# Altium PCB PcbBoard_last.PcbDoc
Units mm, origin at the board's own origin, x right, y up, seen from the top; angles counter-clockwise.
Board outline 110 x 110 mm, 2 copper layers (Top Layer, Bottom Layer); 42 components, 37 nets, 215 pads, 30 vias.
Unrouted connection lines stored in the file: 1.
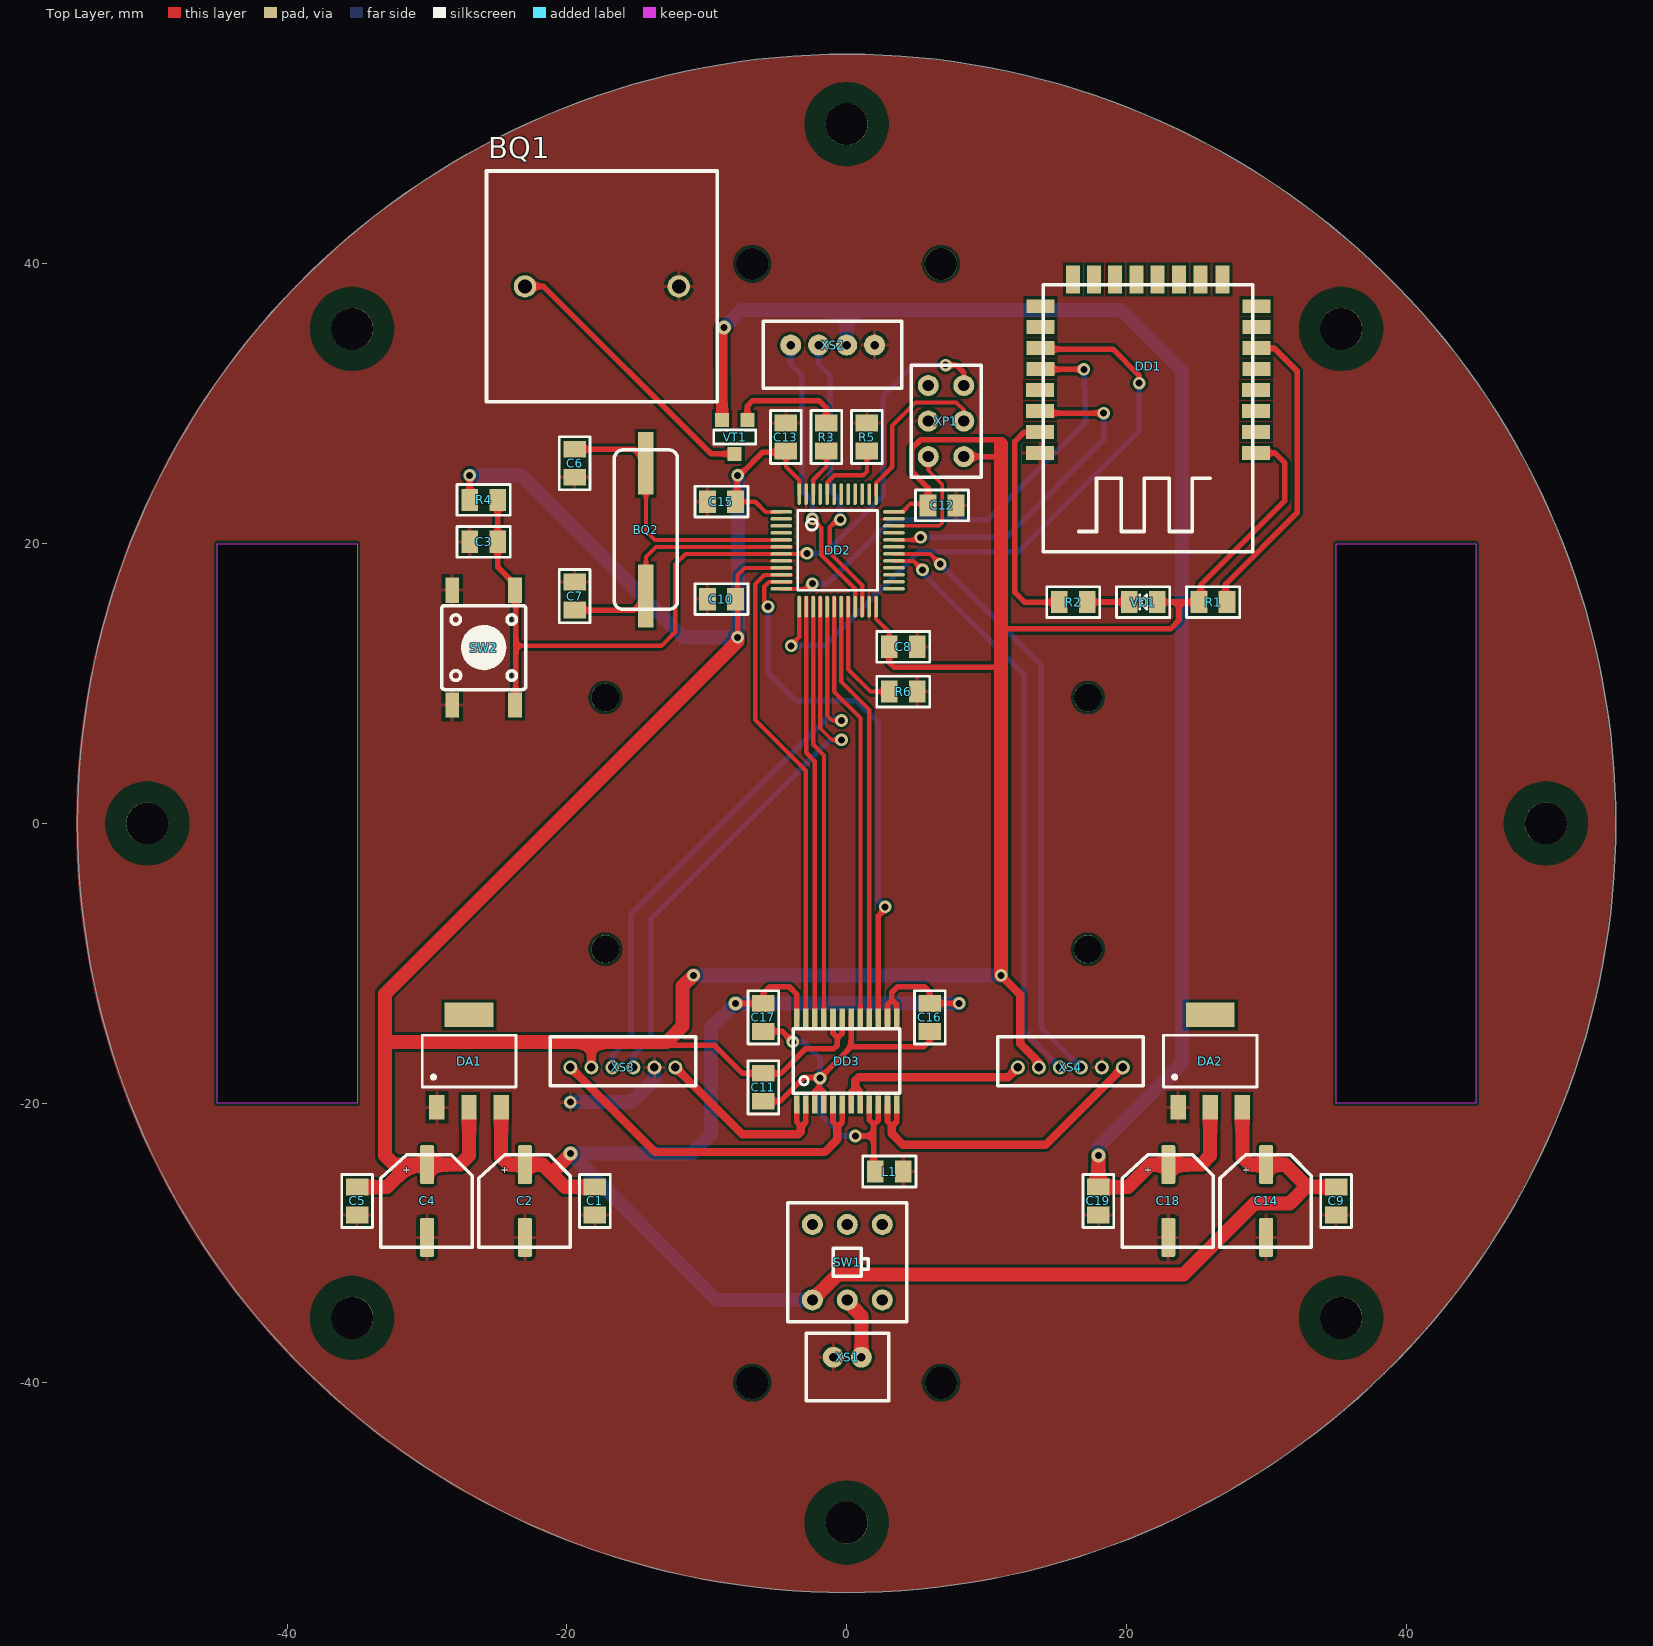
[diagram p0: Top Layer view]
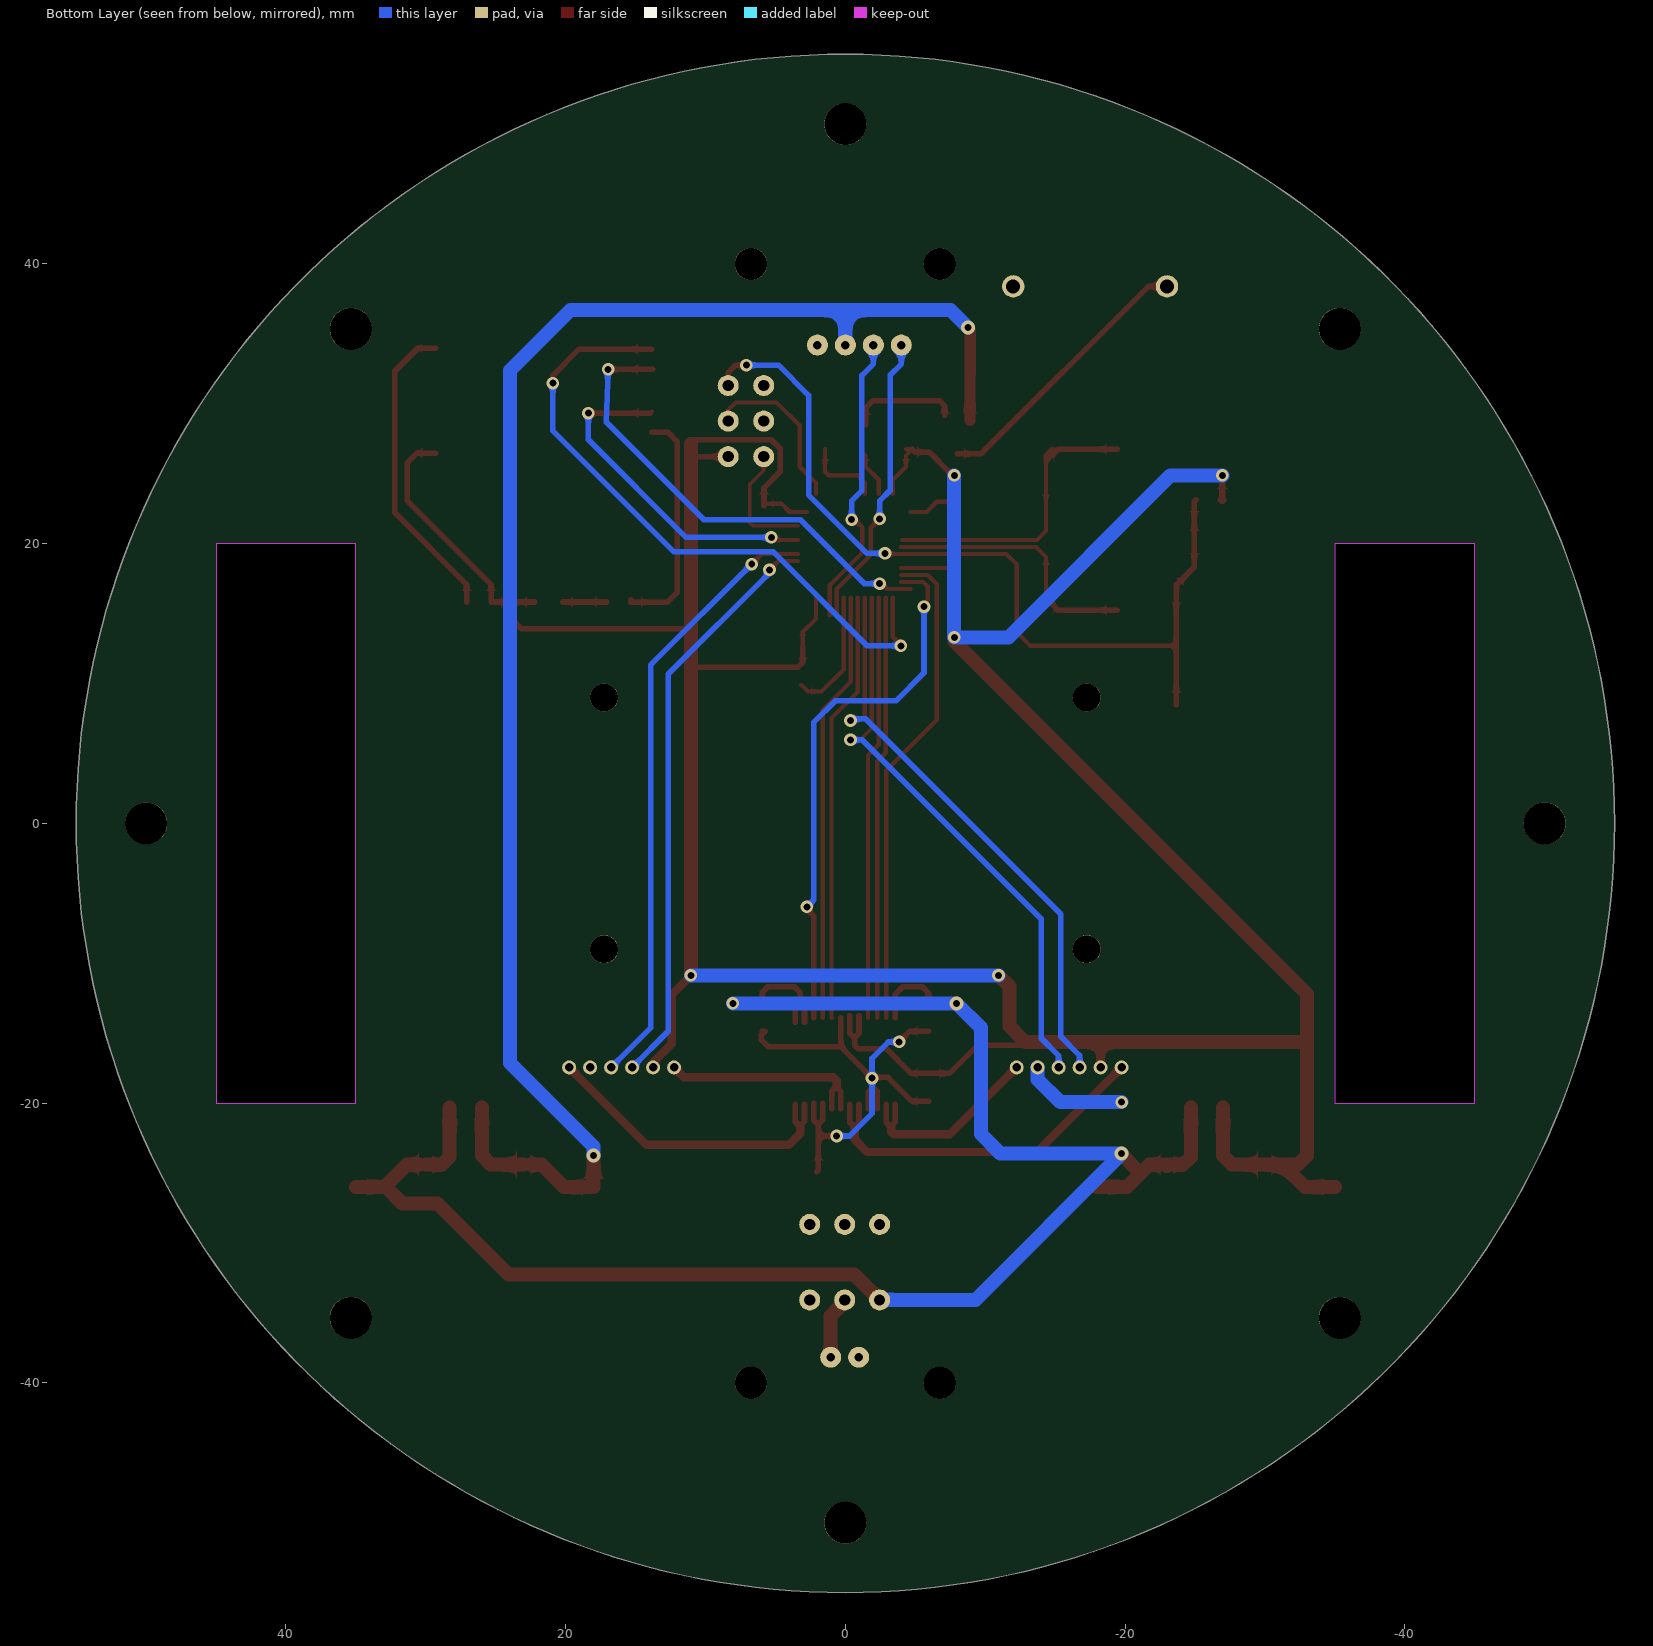
[diagram p1: Bottom Layer view, seen from below]
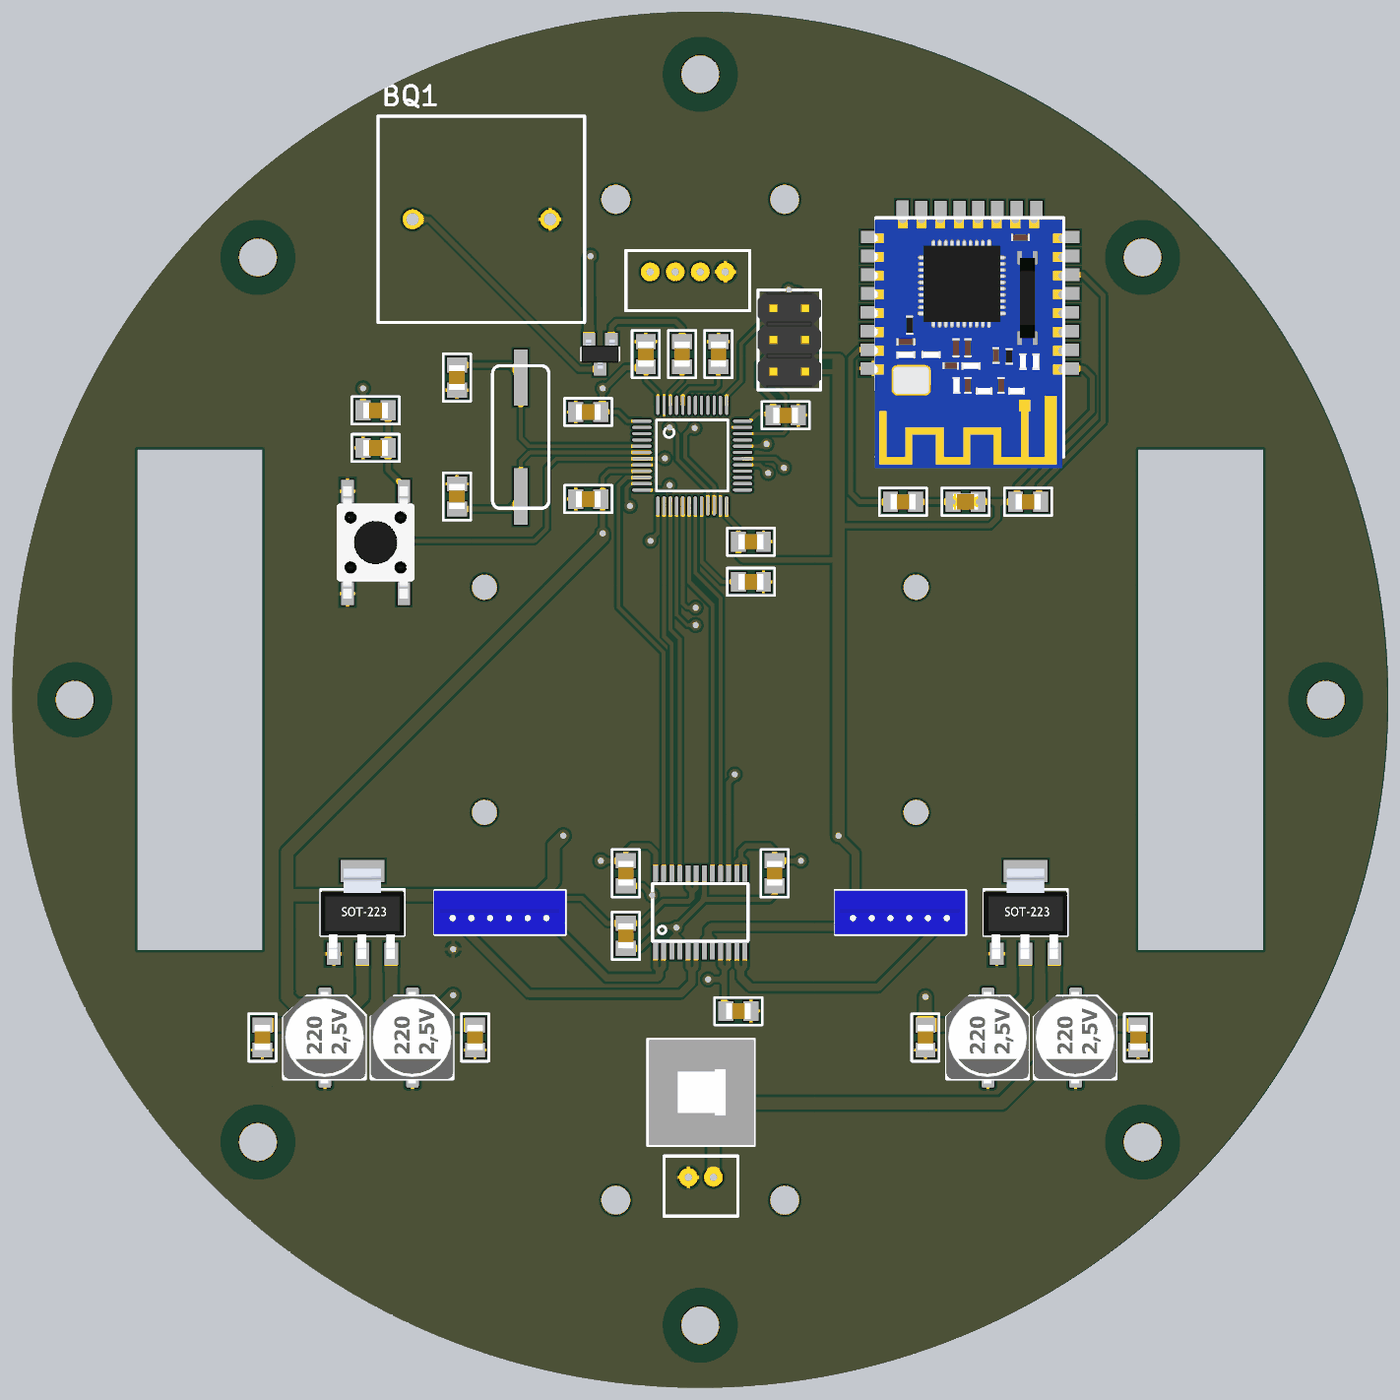
[diagram p2: 3D render of the assembled board from above, using the file's embedded part models]

## Layer stack, top to bottom
Top Solder: solder mask 0.0102, Solder Resist, Dk 3.5
Top Layer: signal copper 0.0356
Dielectric 1: dielectric 0.32, FR-4, Dk 4.8
Bottom Layer: signal copper 0.0356
Bottom Solder: solder mask 0.0102, Solder Resist, Dk 3.5

## Board outline
0,-55 cw(c0,0) -55,0 cw(c0,0) 0,55 cw(c0,0) 55,0 cw(c0,0)
cut-out: -45,-20 -45,20 -35,20 -35,-20
cut-out: 45,-20 35,-20 35,20 45,20

## Design rules (kind name [scope] priority, off if disabled: settings)
Clearance [All] p1: gap=0.2 ignorepadtopadclearanceinfootprint=FALSE
ComponentClearance [All] p1: gap=-1 collisioncheckmode=3 verticalgap=2540 showdistances=FALSE
PolygonConnect [All] p1: connectstyle=Relief reliefconductorwidth=0.254 reliefentries=4 polygonreliefangle="90 Angle" airgapwidth=0.254
RoutingVias [All] p1: holewidth=0.711 width=1.27 viastyle="Through Hole" minholewidth=0.711 minwidth=1.27 maxholewidth=0.711 maxwidth=1.27
SolderMaskExpansion [All] p1: expansion=0.102
Width [All] p1: maxlimit=1 minlimit=0.25 preferedwidth=0.3
29 further rules are at their usual default settings.

## Components (designator, comment, footprint, x,y, rotation, side; value= is the part's Value field where it differs from the comment)
BQ1 "" HPA17 -23,38.4 r0 top
BQ2 "HC-49SM" HC-49SM -14.351,21 r270 top
C1 "SMD0805" SMD_0805 -18,-27 r90 top value=0.1мкФ
C2 "SMD JCK ECAP" "SMD JCK" -23,-27 r180 top value="220 мкФ"
C3 "SMD0805" SMD_0805 -25.949,20.127 r0 top value=0.1мкФ
C4 "SMD JCK ECAP" "SMD JCK" -30,-27 r180 top value="220 мкФ"
C5 "SMD0805" SMD_0805 -35,-27 r90 top value=0.1мкФ
C6 "SMD0805" SMD_0805 -19.449,25.75 r270 top value=22пФ
C7 "SMD0805" SMD_0805 -19.449,16.25 r90 top value=22пФ
C8 "SMD0805" SMD_0805 4.051,12.627 r180 top value=0.1мкФ
C9 "SMD0805" SMD_0805 35,-27 r90 top value=0.1мкФ
C10 "SMD0805" SMD_0805 -8.949,16.038 r0 top value=0.1мкФ
C11 "SMD0805" SMD_0805 -5.949,-18.873 r90 top value=0.1мкФ
C12 "SMD0805" SMD_0805 6.822,22.733 r180 top value=0.1мкФ
C13 "SMD0805" SMD_0805 -4.349,27.627 r270 top value=0.1мкФ
C14 "SMD JCK ECAP" "SMD JCK" 30,-27 r180 top value="220 мкФ"
C15 "SMD0805" SMD_0805 -8.949,23 r0 top value=1мкФ
C16 "SMD0805" SMD_0805 5.949,-13.873 r90 top value=0.1мкФ
C17 "SMD0805" SMD_0805 -5.949,-13.873 r90 top value=2.2мкФ
C18 "SMD JCK ECAP" "SMD JCK" 23,-27 r180 top value="220 мкФ"
C19 "SMD0805" SMD_0805 18,-27 r90 top value=0.1мкФ
DA1 "SOT223" SOT-223 -27,-17 r0 top
DA2 "SOT223" SOT-223 26,-17 r0 top
DD1 "JDY-08" JDY-08 21.551,29.127 r180 top
DD2 "STM32F103C8T6" LQFP48_L -0.639,19.519 r0 top
DD3 "SSOP24" SSOP24 0,-17 r90 top
L1 "BLM" SMD_0805 3.051,-24.892 r180 top
R1 "4,7кОм" SMD0805 26.206,15.827 r0 top
R2 "1кОм" SMD0805 16.206,15.827 r180 top
R3 "1кОм" SMD0805 -1.449,27.627 r90 top
R4 "4.7кОм" SMD0805 -25.949,23.127 r0 top
R5 "4.7кОм" SMD0805 1.451,27.627 r270 top
R6 "4.7кОм" SMD0805 4.051,9.427 r180 top
SW1 "PS700L" KLS7-P 0.051,-31.373 r180 top
SW2 "SWITCH" KLS76x6x4.3 -25.949,12.573 r90 top
VD1 "LED" "SMD 0805" 21.206,15.827 r180 top
VT1 "PNP" SOT23 -8,27.627 r180 top
XP1 "PBD6" PLD6 7.112,28.764 r90 top
XS1 "PORT" PH2.0-2P 0.051,-38.873 r180 top
XS2 "PH2.0-4P" PH2.0-4P -1,33.5 r180 top
XS3 "" ZR1.5-6P -16,-17 r0 top
XS4 "" ZR1.5-6P 16,-17 r0 top

## Footprints (in the part's own frame and the unit in brackets; to place one, negate y for a bottom-side part, rotate by r counter-clockwise, add the part's x,y. Pads: shape width x height; smd on the part's side, far side on the other; paste and mask are expansions set on the pad)
HC-49SM [mm]
  rect 4.5x1.1 smd: 1(-4.75,0) 2(4.75,0)
  silkscreen extent -5.7,-2.25 5.7,2.25, body extent -6.2,-2.35 6.2,2.35, height 3.9
HPA17 [mm]
  round 1.6 hole 1: 1(0,0) 2(11,0)
  silkscreen extent -2.75,-8.25 13.75,8.25, body extent -2.79,-8.13 13.71,8.37, height 5
JDY-08 [mm]
  rect 2x1 smd: 1(-7.725,2.65) 2(-7.725,1.151) 3(-7.725,-0.351) 4(-7.725,-1.85) 5(-7.75,-3.35) 6(-7.75,-4.849) 7(-7.75,-6.351) 8(-7.75,-7.85) 17(7.7,-7.85) 18(7.7,-6.351) 19(7.7,-4.849) 20(7.7,-3.35) 21(7.725,-1.85) 22(7.725,-0.351) 23(7.725,1.151) 24(7.725,2.65)
  rect 1x2 smd: 9(-5.325,-9.75) 10(-3.75,-9.75) 11(-2.2,-9.75) 12(-0.675,-9.75) 13(0.825,-9.75) 14(2.35,-9.75) 15(3.875,-9.75) 16(5.375,-9.775)
  silkscreen extent -7.5,-9.4 7.51,9.7, body extent -7.39,-9.27 7.62,10.62, height 2.08
KLS7-P [mm]
  round 1.5 hole 0.8: 1(-2.5,2.7) 2(0,2.7) 3(2.5,2.7) 4(-2.5,-2.7) 5(0,-2.7) 6(2.5,-2.7)
  silkscreen extent -4.25,-4.25 4.25,4.25, body extent -4.29,-4.22 4.19,4.22, height 13.54
KLS76x6x4.3 [mm]
  rect 1.8x1 smd: 1(-4.1,2.25) 1(4.1,2.25) 2(-4.1,-2.25) 2(4.1,-2.25)
  silkscreen extent -3,-3 3,3, body extent -4.5,-3 4.5,3, height 4.3
LQFP48_L [mm] "QFP, 48-Leads, Body 7x7mm, Pitch 0.5mm, IPC High Density"
  oval 1.55x0.25 smd: 1(-4.025,2.75) 2(-4.025,2.25) 3(-4.025,1.75) 4(-4.025,1.25) 5(-4.025,0.75) 6(-4.025,0.25) 7(-4.025,-0.25) 8(-4.025,-0.75) 9(-4.025,-1.25) 10(-4.025,-1.75) 11(-4.025,-2.25) 12(-4.025,-2.75) 25(4.025,-2.75) 26(4.025,-2.25) 27(4.025,-1.75) 28(4.025,-1.25) 29(4.025,-0.75) 30(4.025,-0.25) 31(4.025,0.25) 32(4.025,0.75) 33(4.025,1.25) 34(4.025,1.75) 35(4.025,2.25) 36(4.025,2.75)
  oval 0.25x1.55 smd: 13(-2.75,-4.025) 14(-2.25,-4.025) 15(-1.75,-4.025) 16(-1.25,-4.025) 17(-0.75,-4.025) 18(-0.25,-4.025) 19(0.25,-4.025) 20(0.75,-4.025) 21(1.25,-4.025) 22(1.75,-4.025) 23(2.25,-4.025) 24(2.75,-4.025) 37(2.75,4.025) 38(2.25,4.025) 39(1.75,4.025) 40(1.25,4.025) 41(0.75,4.025) 42(0.25,4.025) 43(-0.25,4.025) 44(-0.75,4.025) 45(-1.25,4.025) 46(-1.75,4.025) 47(-2.25,4.025) 48(-2.75,4.025)
  silkscreen extent -2.85,-2.85 2.85,2.85, body extent -4.49,-4.49 4.49,4.49, height 1.6
PH2.0-2P [mm]
  round 1.5 hole 0.6: 1(-1,-0.7) 2(1,-0.7)
  silkscreen extent -2.95,-2.4 2.95,2.4, body extent -2.92,-2.41 2.98,2.09, height 6
PH2.0-4P [mm]
  round 1.5 hole 0.6: 1(-3,-0.7) 2(-1,-0.7) 3(1,-0.7) 4(3,-0.7)
  silkscreen extent -4.95,-2.4 4.95,2.4, body extent -4.95,-2.38 4.95,2.12, height 6
PLD6 [mm]
  round 1.5 hole 0.8: 1(-2.54,-1.27) 2(-2.54,1.27) 3(0,-1.27) 4(0,1.27) 5(2.54,-1.27) 6(2.54,1.27)
  silkscreen extent -4,-2.5 4,2.5, body extent -3.81,-2.54 3.81,2.54, height 8.7
SMD0805 [mm]
  rect 1.2x1.6 smd: 1(1,0) 2(-1,0)
  Top Layer pour cut-out: -0.4,1 0.4,1 0.4,-1 -0.4,-1
  silkscreen extent -1.9,-1.1 1.9,1.1, body extent -1,-0.63 1,0.62, height 1.01
"SMD 0805" [mm] "0805"
  rect 1.2x1.6 smd: 1(-1,0) 2(1,0)
  Top Layer pour cut-out: -0.4,1 0.4,1 0.4,-1 -0.4,-1
  silkscreen extent -1.9,-1.1 1.9,1.1, body extent -1,-0.63 1,0.62, height 1.1
"SMD JCK" [mm]
  rrect25% 1x2.8 smd: 1(0,-2.6) 2(0,2.6)
  silkscreen extent -3.22,-3.3 3.3,3.3, body extent -3.26,-3.93 3.34,3.66, height 5.9
SMD_0805 [mm]
  rect 1.2x1.6 smd: 1(-1,0) 2(1,0)
  Top Layer pour cut-out: -0.4,1 0.4,1 0.4,-1 -0.4,-1
  silkscreen extent -1.9,-1.1 1.9,1.1, body extent -1,-0.62 1,0.63, height 1.01
SOT23 [mm]
  rect 1x1 smd: 1(0.9,-1.2) 2(-0.9,-1.2) 3(0,1.2)
  Top Layer pour cut-out: -1.5,0.6 1.5,0.6 1.5,-0.6 -1.5,-0.6
  silkscreen extent -1.5,-0.5 1.5,0.5, body extent -1.5,-1.15 1.5,1.15, height 1.11
SOT-223 [mm] "SOT-223/SC-73; 4 Leads; Body 6.7 x 7.3 mm, inc. leads (LxW max)"
  rect 1.1x1.75 smd: 1(-2.3,-3.3) 2(0,-3.3) 3(2.3,-3.3)
  rect 3.5x1.75 smd: 4(0,3.3)
  silkscreen extent -3.35,-1.85 3.35,1.85, body extent -3.35,-3.7 3.35,3.5, height 1.85
SSOP24 [mm] "TB6612FNG"
  rect 1.3x0.4 smd: 1(-3.1,3.575) 2(-3.1,2.925) 3(-3.1,2.275) 4(-3.1,1.625) 5(-3.1,0.975) 6(-3.1,0.325) 7(-3.1,-0.325) 8(-3.1,-0.975) 9(-3.1,-1.625) 10(-3.1,-2.275) 11(-3.1,-2.925) 12(-3.1,-3.575) 13(3.1,-3.575) 14(3.1,-2.925) 15(3.1,-2.275) 16(3.1,-1.625) 17(3.1,-0.975) 18(3.1,-0.325) 19(3.1,0.325) 20(3.1,0.975) 21(3.1,1.625) 22(3.1,2.275) 23(3.1,2.925) 24(3.1,3.575)
  silkscreen extent -2.3,-3.81 2.3,3.82, body extent -3.27,-3.95 3.28,3.95, height 1.2
ZR1.5-6P [mm]
  round 1 hole 0.6: 1(3.75,-0.45) 2(2.25,-0.45) 3(0.75,-0.45) 4(-0.75,-0.45) 5(-2.25,-0.45) 6(-3.75,-0.45)
  silkscreen extent -5.21,-1.75 5.21,1.75, body extent -5.29,-1.75 5.21,1.75, height 4.5

## Part data
BQ1: library part HC-49SM
C1 C3 C5 C6 C7 C8 C9 C10 C11 C12 C13 C15 C16 C17 C19: "CAP"
DD2: I/Os (High Current)=37, Operating Frequency(F) (Processor speed) (MHz)=72, Supplier Part Number 1=497-6063-ND, Supply Voltage(Vcc) min (V)=2, A/D Converter="2x12-bit (10 Channel)", ComponentLink1Description="Manufacturer URL", ComponentLink1URL=http://www.st.com/web/en/home.html, ComponentLink2Description=Datasheet, ComponentLink2URL=http://www.st.com/st-web-ui/static/active/en/resource/technical/document/datasheet/CD00161566.pdf, ComponentLink3Description="Package Specification", ComponentLink3URL=http://www.st.com/st-web-ui/static/active/en/resource/technical/document/datasheet/DM00058181.pdf, Core="ARM Cortex-M3", DatasheetVersion="Rev. 16", FLASH Size (Prog) (kB)=64, Internal RAM Size (kB)=20, Mounting Technology="Surface Mount", PackageDescription="48-Pin Low Profile Quad Flat Package, 7 x 7 mm Body, 0.5 mm Pitch", PackageReference=LQFP48, PackageVersion="Rev. 6, 06/2013", Packing=Tray, PartNumber=STM32F103C8T6, Supplier 1=Digi-Key, Supplier 2=Farnell, Supplier 3=Newark, Supplier 4=Newark, Supplier 5=Mouser, Supplier Part Number 2=1447637, Supplier Part Number 3=59M2182, Supplier Part Number 4=57P1222, Supplier Part Number 5=511-STM32F103C8T6
L1: library part "SMD 0805"
R1 R2 R3 R4 R5 R6: library part SMD0805
SW1: library part KLS7, ComponentLink1Description=datasheet, ComponentLink1URL=https://static.chipdip.ru/lib/054/DOC000054735.pdf
VD1: library part "SMD 0805", Temperature=-55...+150°C, ValueManufacturerPartNumber="LED, *, *, *, -55...+150°C", TypeDiode=LED
XS1: library part PH2.0-2P, Parameter 1=+7.4В, Parameter 2=GND
XS3: library part PH1.5-6P_1
XS4: library part PH1.5-6P_2
DA1 DA2: ComponentLink1Description=Datasheet, ComponentLink1URL=https://static.chipdip.ru/lib/029/DOC001029248.pdf
DD1: ComponentLink1Description=Datasheet, ComponentLink1URL=http://www.farnell.com/datasheets/2236920.pdf
SW2: ComponentLink1Description=AliExpress, ComponentLink1URL=https://ru.aliexpress.com/item/10PCS-4-4-1-6mm-4x4x1-6H-SMD-push-button-switch-microswitch-Tact-Switch/32731081870.html?spm=a2g0s.9042311.0.0.250233edGDnBBV
VT1: Published=07.05.2013, Publisher="Andrew Danich", Type=Транзистор
XS2: P1=+5V, P2=RX, P3=TX, P4=GND

## Free pads (board coordinates)
  round 3 hole 3: 1(-50,0) 1(-35.355,-35.355) 1(-35.355,35.355) 1(0,-50) 1(0,50) 1(35.355,-35.355) 1(35.355,35.355) 1(50,0)
  round 2 hole 2: 1(-17.25,-9) 1(-17.25,9) 1(17.25,-9) 1(17.25,9)
  round 2.3 hole 2.3: 1(-6.75,-40) 1(-6.75,40) 1(6.75,-40) 1(6.75,40)

## Via types
v1: diameter 0.9, hole 0.5, Top Layer to Bottom Layer, tented top, 26 vias
v2: diameter 1, hole 0.5, Top Layer to Bottom Layer, tented top, 4 vias

## Nets (pads, with @x,y where several pads share a name; then routed paths per layer and width w, separated by ;. In a path a pad name is that pad's centre, name@x,y a point inside that pad or via, vN(x,y) a via of type N, cw(c..) or ccw(c..) an arc to the next point about the centre after c; other vN are vias at no path point)
+3.3V: C4.1 C5.2 C8.2 C10.2 C11.2 C12.2 C13.2 C15.2 DA1.2 DD1.1 DD2.1 DD2.9 DD2.24 DD2.36 DD2.48 DD3.19 DD3.20 R1.2 R4.2 VD1.1 XP1.1 XS3.5 XS4.5 | length 299.1
  Top Layer w0.254: C13.2@-4.776,26.75 C13.2@-4.498,26.472 ; C13.2@-4.498,26.625 C13.2@-4.498,26.472 ; C13.2@-4.327,26.301 C13.2@-4.498,26.472 ; DD2.48 DD2.48@-3.387,23.542
  Top Layer w0.3: C10.2@-7.949,16.637 C10.2@-7.799,16.487 ; C10.2@-7.799,16.637 -7.799,17.764 -7.294,18.269 DD2.9 DD2.9@-4,18.269 ; C15.2@-7.5,23 -6.534,23 -5.803,22.269 DD2.1 ; C13.2@-4.776,26.75 -4.376,26.75 C13.2@-4.349,26.777 ; C13.2@-4.327,26.301 -4.327,25.501 -3.387,24.56 DD2.48@-3.387,23.542 ; DD2.24@2.111,16.129 DD2.24 2.111,14.617 3.051,13.677 C8.2 ; DD2.36@2.758,22.269 DD2.36 DD2.36@3.986,22.269 ; DD2.36@4.028,22.269 DD2.36@3.986,22.269 ; C12.2 5.822,22.701 5.663,22.86 4.577,22.86 DD2.36@3.986,22.269 ; 10.886,13.716 11.051,13.881 11.082,13.912
  Top Layer w0.4: v1(-26.949,24.892) R4.2 R4.2@-26.824,23.127 ; -12.863,-15.621 -12.609,-15.875 -9.434,-15.875 -7.436,-17.873 C11.2 -4.701,-17.873 -2.957,-16.129 -0.925,-16.129 -0.671,-15.875 -0.671,-15.367 -0.326,-15.022 DD3.19@-0.326,-13.751 ; C15.2@-7.838,22.873 v1@-7.838,24.677 ; v1(-7.799,13.3) C10.2@-7.799,16.487 ; v1@-7.529,25.019 -5.997,26.551 -4.976,26.551 C13.2@-4.776,26.75 ; DD3.20@-0.976,-13.751 -0.976,-15.006 -0.671,-15.311 ; C8.2 3.051,11.518 3.393,11.176 11.013,11.176 ; C12.2 5.822,23.987 4.661,25.149 4.661,26.794 5.298,27.432 10.886,27.432 ; XP1.1 10.821,26.224 ; 11.082,13.912 23.154,13.912 23.769,14.527 23.769,15.827 ; VD1.1 23.769,15.827 ; R1.2@25.331,15.827 25.331,17.076 31.333,23.078 31.333,25.781 30.637,26.477 DD1.1 ; R1.2@25.331,15.827 23.769,15.827
  Top Layer w0.6: XS3.5 -18.25,-15.621 -18.25,-15.42 ; v1(11.051,-10.873) 12.41,-12.232 12.41,-15.748 13.75,-17.088 XS4.5
  Top Layer w0.8: -33,-23.285 -33,-20.3
  Top Layer w1: C5.2 -32.863,-26 -31.263,-24.4 ; -33.006,-15.621 -18.25,-15.621 -12.863,-15.621 ; -33,-23.285 -33.011,-23.274 ; DA1.2 -27,-23.763 -27.637,-24.4 C4.1 -31.263,-24.4 ; -12.609,-15.367 -11.72,-14.478 -11.72,-11.644 v1(-10.949,-10.873) ; v1(-7.799,13.3) -7.799,13.021 -33.011,-12.192 -33.011,-23.274 ; v1(11.051,-10.873) 11.051,13.881 11.051,27.14 ; -33.011,-23.274 -33.011,-23.752 -32.363,-24.4 -31.263,-24.4
  Bottom Layer w1: v1(-26.949,24.892) -23.241,24.892 -11.649,13.3 v1(-7.799,13.3) -7.783,13.316 v1@-7.783,24.892 ; v1(-10.949,-10.873) v1(11.051,-10.873)
  other v1: -7.799,24.892
+5V: C18.1 C19.2 DA2.2 VT1.1 XS2.2 | length 117.1
  Top Layer w0.3: v2@-8.927,35.304 v2(-8.774,35.458)
  Top Layer w0.8: v2@-8.927,35.304 VT1.1 ; v2@-8.774,35.431 v2(-8.774,35.458)
  Top Layer w1: v2(18,-23.749) C19.2 20.137,-26 21.737,-24.4 C18.1@22.559,-24.4 ; C18.1 25.363,-24.4 26,-23.763 DA2.2
  Bottom Layer w1: v2(-8.774,35.458) -7.529,36.703 0,36.703 ; XS2.2 0,36.703 ; v2(18,-23.749) 18,-23.112 23.967,-17.145 23.967,32.385 19.649,36.703 0,36.703
+7.4V: C1.2 C2.1 C9.2 C14.1 C16.2 C17.2 DA1.3 DA2.3 DD3.13 DD3.14 DD3.24 SW1.2 SW1.3 XS1.1 | length 142.3
  Top Layer w0.4: v2(-7.949,-12.873) C17.2@-6.149,-12.873 ; C17.2@-6.005,-12.617 C17.2@-5.949,-12.673 ; DD3.24 -3.575,-12.209 -4.1,-11.684 -5.497,-11.684 -5.949,-12.136 C17.2@-5.949,-12.673 ; DD3.14@2.925,-14.213 DD3.14 2.925,-12.957 3.23,-12.652 ; DD3.13@3.575,-14.213 DD3.13 3.575,-12.942 3.23,-12.597 3.23,-12.101 3.647,-11.684 5.552,-11.684 5.933,-12.065 5.933,-12.619 C16.2@5.679,-12.873 ; C16.2 v1(8.051,-12.873) ; C17.2@-5.949,-12.673 -5.749,-12.873 C17.2 C17.2@-5.949,-12.673
  Top Layer w0.8: C17.2@-6.149,-12.873 C17.2@-5.949,-12.673
  Top Layer w1: DA1.3 -24.7,-23.85 -24.15,-24.4 C2.1 C2.1@-23,-24.511 ; C2.1@-22.559,-24.4 -21.737,-24.4 -21.118,-25.019 ; v2(-19.75,-23.622) -19.75,-23.651 -21.118,-25.019 ; C1.2 -20.137,-26 -21.118,-25.019 ; SW1.3 -0.634,-32.258 24.094,-32.258 29.174,-27.178 31.685,-27.178 32.863,-26 ; SW1.2 0.051,-34.208 1.051,-35.208 XS1.1 ; DA2.3 28.3,-23.85 28.85,-24.4 C14.1 ; C14.1@30.441,-24.4 31.349,-24.4 32.949,-26 C9.2
  Bottom Layer w1: SW1.3@-2.949,-34.073 -9.299,-34.073 v2(-19.75,-23.622) -11.085,-23.622 -9.688,-22.225 -9.688,-14.612 v2(-7.949,-12.873) v1(8.051,-12.873)
AGND: C11.1 C16.1 C17.1 DD3.3 DD3.4 DD3.9 DD3.10 DD3.18 L1.2 | length 40.8
  Top Layer w0.4: C11.1 -4.764,-19.873 -3.052,-18.161 v1@-1.956,-18.161 ; C17.1 -4.594,-14.873 v1(-3.846,-15.621) ; DD3.3@-2.275,-20.413 DD3.3 -2.275,-19.157 -1.97,-18.852 -1.625,-19.197 DD3.4 DD3.4@-1.625,-20.413 ; -1.956,-18.811 v1@-1.956,-18.161 ; DD3.18 0.325,-15.982 ; v1(0.63,-22.352) 1.93,-22.352 ; DD3.9@1.625,-20.005 DD3.9 1.625,-21.209 1.93,-21.514 ; L1.2 1.93,-24.771 1.93,-22.352 ; 2.275,-21.225 1.93,-21.57 1.93,-22.352 ; 2.275,-21.209 DD3.10 DD3.10@2.275,-20.005 ; C16.1 5.749,-14.873 6.003,-15.127 6.003,-15.494 5.53,-15.968 0.339,-15.968 0.325,-15.982 ; v1@-1.956,-18.161 v1(-1.905,-18.212) 0.325,-15.982
  Bottom Layer w0.4: v1(-3.846,-15.621) -3.084,-15.621 -1.905,-16.8 v1(-1.905,-18.212) -1.905,-20.737 -0.29,-22.352 v1(0.63,-22.352)
AO1: DD3.1 DD3.2 XS3.1 | length 14.8
  Top Layer w0.4: DD3.1 -3.575,-21.356 -3.27,-21.661 ; -3.27,-21.716 -2.925,-21.371 DD3.2
  Top Layer w0.6: XS3.1 -7.475,-22.225 -3.445,-22.225 -3.27,-22.05 -3.27,-21.716
AO2: DD3.5 DD3.6 XS3.6 | length 26.3
  Top Layer w0.4: DD3.5 -0.975,-21.356 -0.67,-21.661 ; -0.67,-21.716 -0.325,-21.371 DD3.6
  Top Layer w0.6: XS3.6 -13.705,-23.495 -1.56,-23.495 -0.67,-22.605 -0.67,-21.716
BO1: DD3.11 DD3.12 XS4.1 | length 23
  Top Layer w0.4: DD3.11 2.925,-21.304 3.23,-21.609 ; 3.23,-21.665 3.575,-21.32 ; 3.575,-21.304 DD3.12
  Top Layer w0.6: 3.23,-21.665 3.23,-22.189 4.028,-22.987 14.213,-22.987 XS4.1
BO2: DD3.7 DD3.8 XS4.6 | length 15.9
  Top Layer w0.4: DD3.7@0.325,-20.413 DD3.7 0.325,-19.157 0.63,-18.852 ; 0.63,-18.797 0.975,-19.142 DD3.8 DD3.8@0.975,-20.413
  Top Layer w0.6: 0.63,-18.797 0.63,-18.384 0.853,-18.161 11.539,-18.161 XS4.6
BOOT: DD2.44 R5.1 | length 5.6
  Top Layer w0.3: DD2.44@-1.389,23.569 -1.389,24.366 -0.863,24.892 1.195,24.892 1.451,25.149 R5.1@1.451,26.752
GND: BQ1.2 C1.1 C2.2 C3.1 C4.2 C5.1 C6.2 C7.2 C8.1 C9.1 C10.1 C12.1 C13.1 C14.2 C15.1 C18.2 C19.1 DA1.1 DA2.1 DD1.24 DD2.8 DD2.23 DD2.35 DD2.47 L1.1 R5.2 R6.2 SW2.1 XP1.4 XS1.2 XS2.1 XS3.2 XS4.2 | length 7.5
  Bottom Layer w1: v1(-19.75,-19.939) -15.367,-19.939 -13.75,-18.322 XS3.2
NetBQ1_1: BQ1.1 VT1.3 | length 20
  Top Layer w0.4: BQ1.1 -21.672,38.4 -9.699,26.427 VT1.3
NetDD1_6: DD1.6 R1.1 | length 22.2
  Top Layer w0.4: R1.1@27.081,15.827 27.081,17.084 32.222,22.225 32.222,32.331 30.578,33.976 DD1.6
NetDD1_23: DD1.23 R2.1 | length 16.7
  Top Layer w0.4: DD1.23 12.7,27.976 12.029,27.305 12.029,16.51 12.718,15.822 15.176,15.822 15.331,15.977 R2.1@15.331,15.827
NetDD2_46: DD2.46 R3.2 | length 3.6
  Top Layer w0.254: R3.2@-1.449,26.303 R3.2@-1.115,26.637
  Top Layer w0.3: DD2.46 -2.389,24.571 -1.449,25.511 R3.2@-1.449,26.303
NetR2_2: R2.2 VD1.2 | length 3.1
  Top Layer w0.4: R2.2@17.082,15.827 VD1.2
NetR3_1: R3.1 VT1.2 | length 7.9
  Top Layer w0.4: VT1.2@-7.1,29.2 -7.1,29.845 -6.719,30.226 -1.982,30.226 -1.449,29.692 R3.1@-1.449,28.502
NRST: C3.2 DD2.7 R4.1 SW2.2 XP1.5 | length 64.1
  Top Layer w0.3: -23.658,12.697 -13.246,12.697 -12.25,13.694 -12.25,18.52 ; -12.228,18.542 -11.501,19.269 DD2.7 v1@-2.83,19.269
  Top Layer w0.4: R4.1@-25.074,23.127 -24.949,23.002 C3.2 -24.949,18.323 -23.699,17.073 SW2.2@-23.699,16.673 ; SW2.2@-23.658,8.473 -23.658,12.697 SW2.2@-23.658,17.073 ; v1(7.076,32.766) 7.838,32.766 8.382,32.222 XP1.5
  Bottom Layer w0.4: v1(-2.83,19.304) -1.56,19.304 2.631,23.495 2.631,30.607 4.79,32.766 v1(7.076,32.766)
PA0-PWMA: DD2.10 DD3.23 | length 35.3
  Top Layer w0.3: DD2.10@-4,17.769 DD2.10 -5.886,17.769 -6.534,17.121 -6.534,7.387 -2.925,3.778 DD3.23
PA1-PWMB: DD2.11 DD3.15 | length 39.2
  Top Layer w0.3: v1(-5.624,15.494) -5.624,15.656 -5.886,15.918 -5.886,16.938 -5.555,17.269 DD2.11 DD2.11@-4,17.269
  Top Layer w0.4: DD3.15 2.275,-6.615 2.758,-6.131 v1(2.758,-5.969)
  Bottom Layer w0.4: v1(-5.624,15.494) -5.624,10.768 -3.619,8.763 0.726,8.763 2.25,7.239 2.25,-5.461 v1(2.758,-5.969)
PA2: DD1.20 DD2.12 | length 33.7
  Top Layer w0.3: DD2.12 -3.001,16.769 -2.625,17.145 v1(-2.449,17.145)
  Top Layer w0.4: DD1.20@13.77,32.466 v1(16.97,32.466)
  Bottom Layer w0.4: v1(-2.449,17.145) -1.346,17.145 3.226,21.717 10.124,21.717 17.099,28.691 v1(16.97,32.466)
PA3: DD1.19 DD2.13 | length 46.7
  Top Layer w0.25: v1(-3.973,12.697) v1@-3.973,12.751
  Top Layer w0.3: v1@-3.973,12.751 -3.389,13.335 DD2.13 DD2.13@-3.389,16.129
  Top Layer w0.4: DD1.19@13.851,33.909 19.036,33.909 20.919,32.026 v1(20.919,31.477)
  Bottom Layer w0.4: v1(-3.973,12.697) -1.562,12.697 5.171,19.431 12.283,19.431 20.919,28.067 v1(20.919,31.477)
PA4-AIN2: DD2.14 DD3.22 | length 30.3
  Top Layer w0.3: DD2.14@-2.889,16.129 DD2.14 -2.889,5.049 -2.275,4.435 DD3.22
PA5-AIN1: DD2.15 DD3.21 | length 30.3
  Top Layer w0.3: DD2.15@-2.389,16.129 DD2.15 -2.389,5.627 -1.625,4.863 DD3.21
PA6: DD2.16 XS3.3 | length 41.5
  Top Layer w0.25: -1.889,6.806 -1.052,5.969 v1(-0.365,5.969)
  Top Layer w0.3: -1.889,6.806 DD2.16 DD2.16@-1.889,16.129
  Bottom Layer w0.4: XS3.3 -15.25,-16.611 -14.006,-15.367 -14.006,-6.833 -1.204,5.969 v1(-0.365,5.969) -0.365,5.876 v1@-0.489,5.751
PA7: DD2.17 XS3.4 | length 42.1
  Top Layer w0.25: -1.389,7.703 -1.044,7.358 v1(-0.365,7.358)
  Top Layer w0.3: -1.389,7.703 DD2.17 DD2.17@-1.389,16.129
  Bottom Layer w0.4: XS3.4 -16.75,-16.587 -15.403,-15.24 -15.403,-6.477 -1.457,7.469 v1@-0.365,7.469 ; v1@-0.489,7.234 v1(-0.365,7.358)
PA8: DD2.29 XS4.4 | length 42
  Top Layer w0.3: DD2.29 4.781,18.769 v1(5.425,18.125)
  Bottom Layer w0.4: v1(5.425,18.125) 5.425,17.907 12.664,10.668 12.664,-14.864 XS4.4
PA9: DD2.30 XS4.3 | length 43.8
  Top Layer w0.3: DD2.30 5.968,19.269 v1(6.695,18.542)
  Bottom Layer w0.4: v1(6.695,18.542) 13.922,11.316 13.922,-14.622 XS4.3
PA11: DD1.22 DD2.32 | length 24.5
  Top Layer w0.25: DD1.22 DD1.22@13.967,29.337
  Top Layer w0.3: DD2.32 4.958,20.269 5.136,20.447 v1(5.298,20.447)
  Top Layer w0.4: DD1.22@13.967,29.337 v1(18.379,29.337)
  Bottom Layer w0.4: v1(5.298,20.447) 11.394,20.447 18.379,27.432 v1(18.379,29.337)
PB0-BIN1: DD2.18 DD3.17 | length 30.8
  Top Layer w0.3: DD2.18@-0.889,16.129 DD2.18 -0.889,9.414 0.99,7.535 0.99,-13.885 DD3.17
PB1-BIN2: DD2.19 DD3.16 | length 30.9
  Top Layer w0.3: DD2.19@-0.389,16.129 DD2.19 -0.389,10.132 1.625,8.118 DD3.16
PB2: DD2.20 R6.1 | length 9
  Top Layer w0.254: R6.1@2.676,9.427 R6.1@3.176,9.927
  Top Layer w0.3: DD2.20@0.111,16.129 DD2.20 0.111,11.024 1.708,9.427 R6.1@2.676,9.427
PB10: DD2.21 XS2.4 | length 21.2
  Top Layer w0.3: v1(-2.449,21.769) -1.814,21.134 -1.814,19.2 0.611,16.775 DD2.21@0.611,14.859
  Bottom Layer w0.4: XS2.4 -4,32.855 -3.211,32.066 -3.211,23.824 -2.449,23.062 v1@-2.449,21.836
PB11: DD2.22 XS2.3 | length 21.8
  Top Layer w0.3: v1@-0.29,21.558 v1(-0.449,21.717) -0.671,21.717 -1.211,21.177 -1.211,19.368 1.111,17.046 DD2.22 DD2.22@1.111,14.859
  Bottom Layer w0.4: XS2.3@-2.068,34.014 XS2.3@-2,34.081 ; XS2.3@-1.941,34.141 XS2.3 XS2.3@-2,34.081 ; v1(-0.449,21.717) -0.449,23.062 -1.179,23.792 -1.179,32.034 -2,32.855 XS2.3@-2,34.081
PD0: BQ2.1 C6.1 DD2.5 | length 22
  Top Layer w0.3: BQ2.1@-14.751,26.75 -14.351,26.35 -14.351,25.9 BQ2.1 -14.351,20.919 -13.701,20.269 DD2.5 DD2.5@-4.064,20.269
  Top Layer w0.4: C6.1 -15.201,26.75 BQ2.1@-14.351,25.9
PD1: BQ2.2 C7.1 DD2.6 | length 19.1
  Top Layer w0.3: BQ2.2 -14.351,19.055 -13.637,19.769 DD2.6 DD2.6@-4,19.769
  Top Layer w0.4: C7.1 -15.201,15.25 -14.351,16.1 BQ2.2
SWCLK: DD2.37 XP1.3 | length 12.2
  Top Layer w0.3: DD2.37 2.111,24.347 3.266,25.502 3.266,28.448 4.917,30.099 7.834,30.099 8.382,29.551 XP1.3
SWDIO: DD2.34 XP1.2 | length 8.7
  Top Layer w0.25: DD2.34 6.628,21.269 6.822,21.463 6.822,24.257 5.842,25.237 XP1.2 XP1.2@5.845,26.224
pads on no net: DA1.4 DA2.4 DD1.2 DD1.3 DD1.4 DD1.5 DD1.7 DD1.8 DD1.9 DD1.10 DD1.11 DD1.12 DD1.13 DD1.14 DD1.15 DD1.16 DD1.17 DD1.18 DD1.21 DD2.2 DD2.3 DD2.4 DD2.25 DD2.26 DD2.27 DD2.28 DD2.31 DD2.33 DD2.38 DD2.39 DD2.40 DD2.41 DD2.42 DD2.43 DD2.45 SW1.1 SW1.4 SW1.5 SW1.6 XP1.6

## Polygon pours and split planes (outlines as drawn)
no net on Top Layer "Top Layer-No Net 2" (solid, pour order 38): -0.163,54.991
GND on Top Layer "Top Layer-GND" (solid, pour order 24): 52.916,14.626 cw(c-0.107,-0.016) -0.097,-55.023 cw(c-0.107,-0.043) -55.088,-0.032 cw(c-0.087,-0.043) -0.097,54.959 cw(c-0.087,-0.054) 52.594,15.791
AGND on Top Layer "Top Layer-AGND" (solid, pour order 20): -3.766,-16.002
no net on Top Layer "Top Layer-No Net" (solid, pour order 14): -27.867,27.124
no net on Top Layer "Top Layer-No Net 1" (solid, pour order 12): -34.417,32.385
AGND on Top Paste (solid): -7.62,-17.145

## Other copper
Top Layer:
  pour cut-out: 38.355,-35.355 cw(c35.355,-35.355) 35.355,-38.355 cw(c35.355,-35.355) 32.355,-35.355 cw(c35.355,-35.355) 35.355,-32.355 cw(c35.355,-35.355)
  pour cut-out: 3,-50 cw(c0,-50) 0,-53 cw(c0,-50) -3,-50 cw(c0,-50) 0,-47 cw(c0,-50)
  pour cut-out: -32.355,-35.355 cw(c-35.355,-35.355) -35.355,-38.355 cw(c-35.355,-35.355) -38.355,-35.355 cw(c-35.355,-35.355) -35.355,-32.355 cw(c-35.355,-35.355)
  pour cut-out: -47,0 cw(c-50,0) -50,-3 cw(c-50,0) -53,0 cw(c-50,0) -50,3 cw(c-50,0)
  pour cut-out: -32.355,35.355 cw(c-35.355,35.355) -35.355,32.355 cw(c-35.355,35.355) -38.355,35.355 cw(c-35.355,35.355) -35.355,38.355 cw(c-35.355,35.355)
  pour cut-out: 3,50 cw(c0,50) 0,47 cw(c0,50) -3,50 cw(c0,50) 0,53 cw(c0,50)
  pour cut-out: 38.355,35.355 cw(c35.355,35.355) 35.355,32.355 cw(c35.355,35.355) 32.355,35.355 cw(c35.355,35.355) 35.355,38.355 cw(c35.355,35.355)
  pour cut-out: 53,0 cw(c50,0) 50,-3 cw(c50,0) 47,0 cw(c50,0) 50,3 cw(c50,0)

## Text inside footprints (layer, text, board x,y; h text height)
C2: Top Overlay "+" at -24.15,-24.6 h0.5 r180
C4: Top Overlay "+" at -31.15,-24.6 h0.5 r180
C14: Top Overlay "+" at 28.85,-24.6 h0.5 r180
C18: Top Overlay "+" at 21.85,-24.6 h0.5 r180